# Altium PCB WL-MAIN_V2.PcbDoc (part 3 of 3)
Units mm, origin at the board's own origin, x right, y up, seen from the top; angles counter-clockwise.
Board outline 144 x 83.65 mm, 4 copper layers (Top Layer, Layer 1, Layer 2, Bottom Layer), stack 1.57 mm thick; 392 components, 321 nets, 1484 pads, 538 vias.
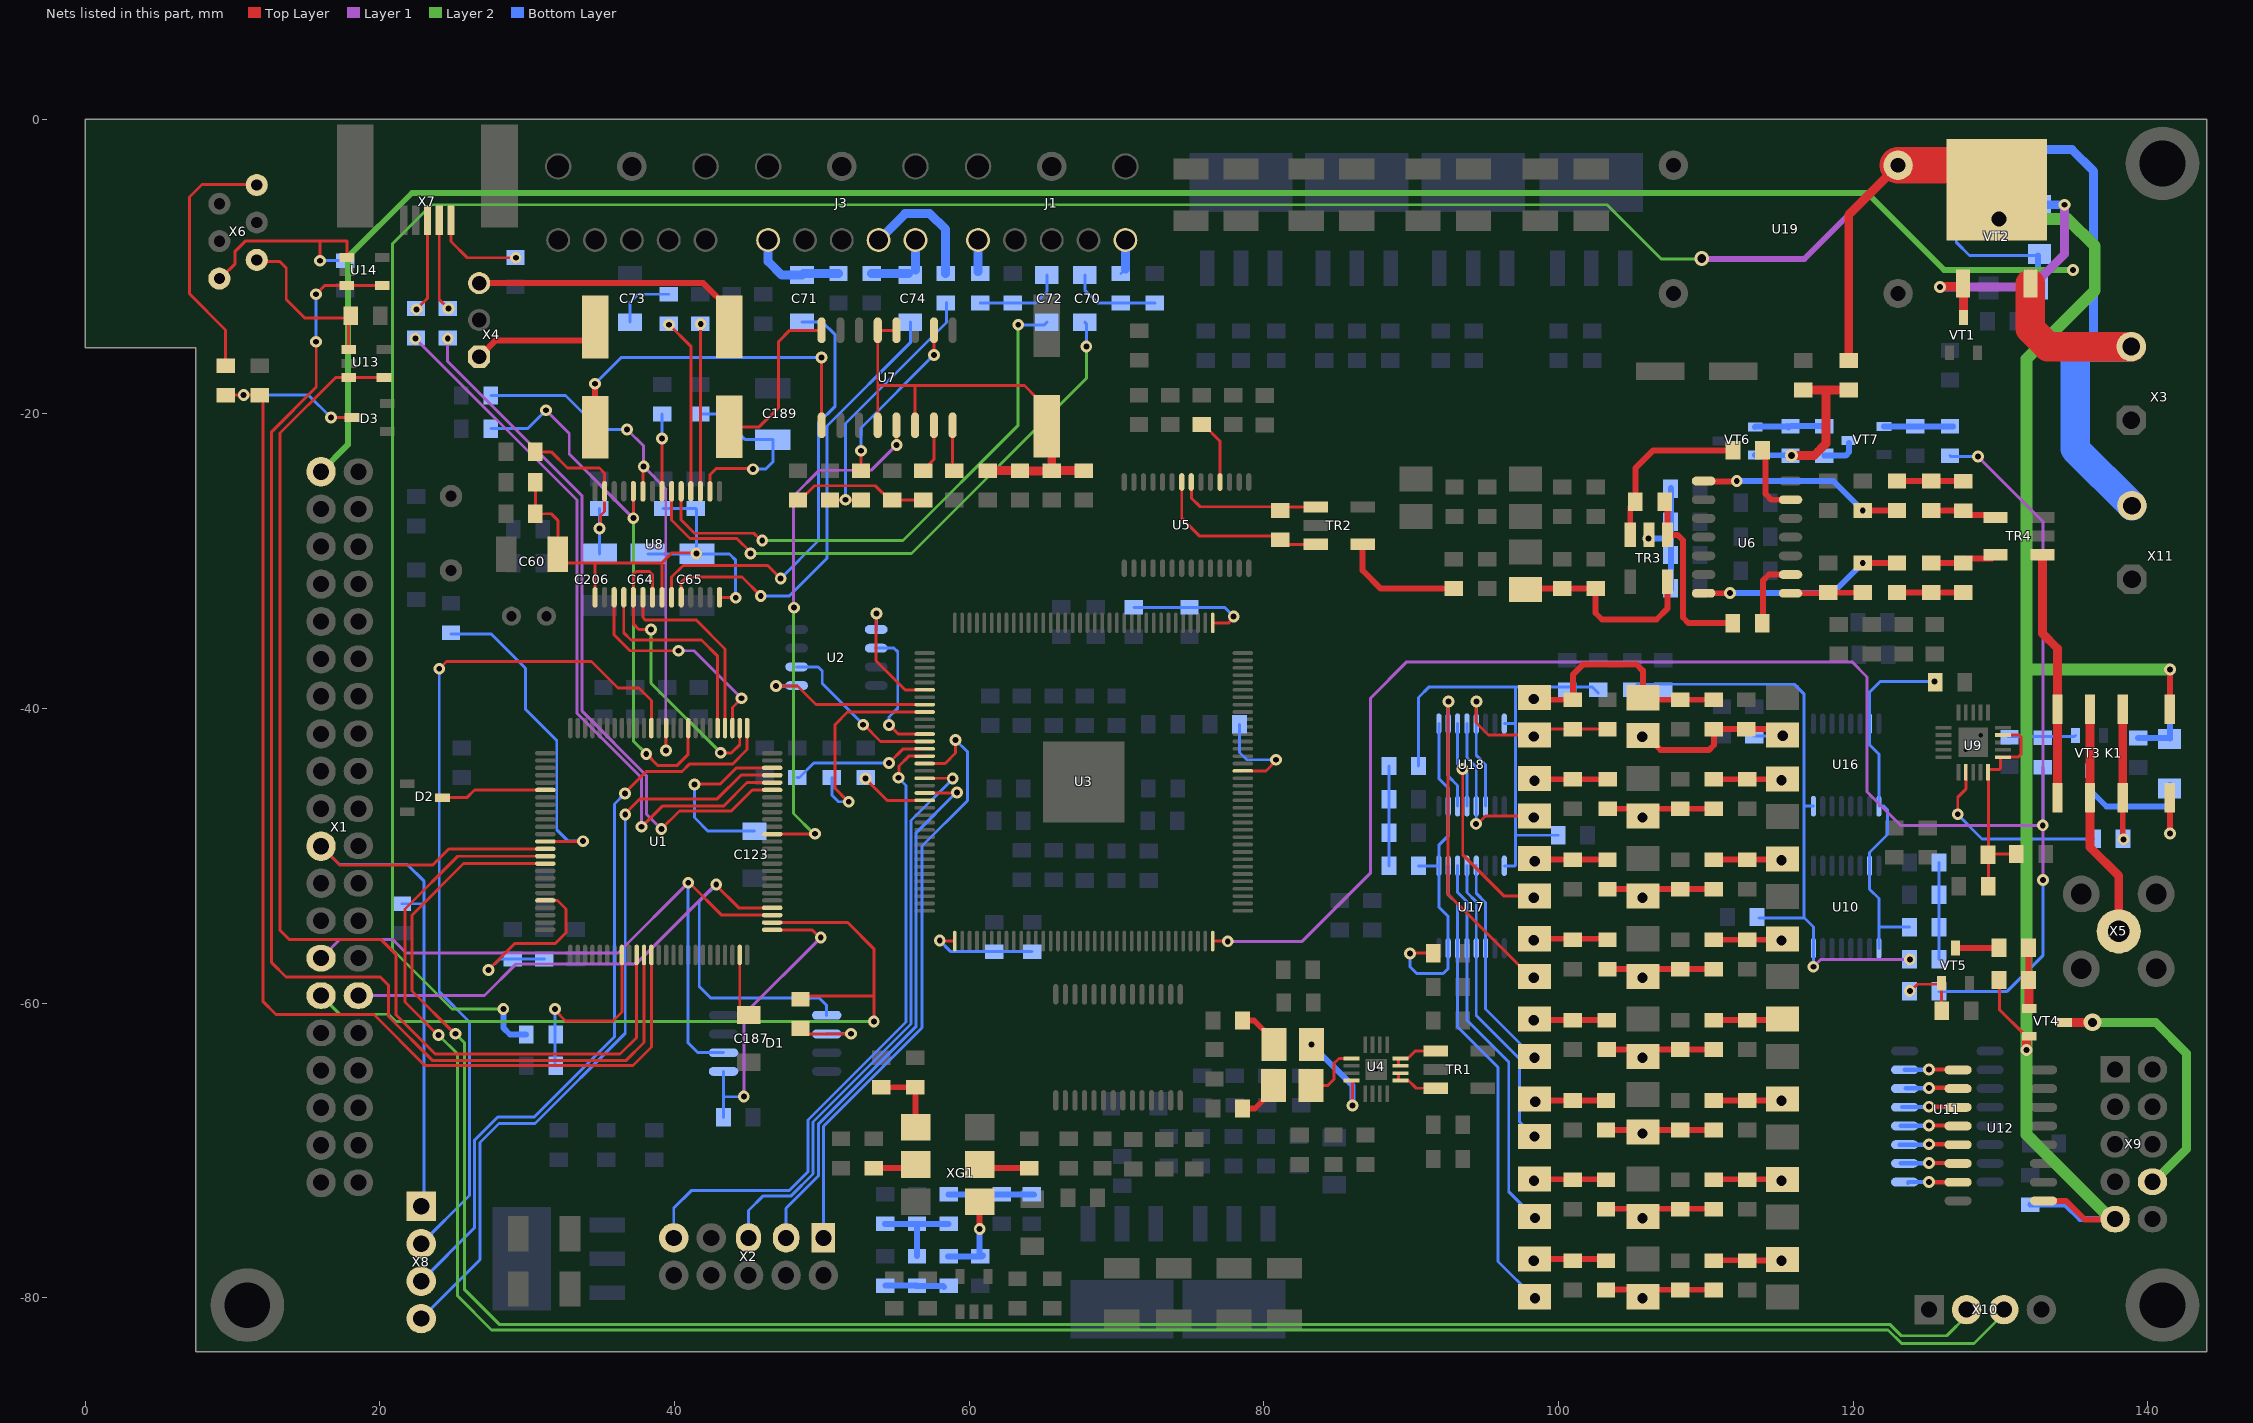
[diagram p5: the nets of this part, all layers, seen from the top]

## Via types
v1: diameter 0.8, hole 0.4, Top Layer to Bottom Layer, tented both sides, 270 vias
v2: diameter 0.7, hole 0.4, Top Layer to Bottom Layer, tented both sides, 169 vias
v3: diameter 0.8, hole 0.7, Top Layer to Bottom Layer, tented both sides, 24 vias
v4: diameter 1.3, hole 0.7, Top Layer to Bottom Layer, 23 vias
v5: diameter 1, hole 0.7, Top Layer to Bottom Layer, 17 vias
v6: diameter 0.5, hole 0.2, Top Layer to Bottom Layer, 16 vias
v7: diameter 1, hole 0.6, Top Layer to Bottom Layer, tented both sides, 6 vias
v8: diameter 1.2, hole 0.7, Top Layer to Bottom Layer, 6 vias
v9: diameter 1.2, hole 0.6, Top Layer to Bottom Layer, tented both sides, 2 vias
v10: diameter 3.4, hole 3.4, Top Layer to Bottom Layer, 2 vias
v11: diameter 5, hole 4, Top Layer to Bottom Layer, 1 vias
v12: diameter 0.9, hole 0.5, Top Layer to Bottom Layer, tented both sides, 1 vias
v13: diameter 2, hole 1, Top Layer to Bottom Layer, tented both sides, 1 vias

## Nets (pads, with @x,y where several pads share a name; then routed paths per layer and width w, separated by ;. In a path a pad name is that pad's centre, name@x,y a point inside that pad or via, vN(x,y) a via of type N, cw(c..) or ccw(c..) an arc to the next point about the centre after c; other vN are vias at no path point) (continued)
NetC43_2: C43.2 C44.2 L7.2 TR3.4 | length 14.3
  Top Layer w0.4: L7.2@98.248,-32.388 L7.2@97.768,-31.908 97.818,-31.858 C43.2@100.243,-31.858 C44.2@102.518,-31.858 102.518,-33.518 102.95,-33.95 106.65,-33.95 107.408,-33.192 TR3.4@107.408,-31.388
NetC45_1: C45.1 C46.1 R22.2 | length 4.5
  Top Layer w0.4: R22.2@122.975,-32.125 C46.1@125.3,-32.125 C45.1@127.475,-32.125
NetC45_2: C45.2 C46.2 TR4.4 | length 4.6
  Top Layer w0.4: C46.2@125.3,-30.125 C45.2@127.475,-30.125 127.775,-29.825 129.41,-29.825 TR4.4@129.67,-29.565
NetC47_1: C47.1 C48.1 R58.2 | length 4.5
  Top Layer w0.4: R58.2@122.975,-24.55 C47.1@125.3,-24.55 127.45,-24.55 C48.1@127.475,-24.575
NetC47_2: C47.2 C48.2 TR4.6 | length 4.6
  Top Layer w0.4: C47.2@125.3,-26.55 127.45,-26.55 C48.2@127.475,-26.575 127.75,-26.85 129.495,-26.85 TR4.6@129.67,-27.025
NetC49_2: C49.2 C50.2 R24.2 R25.1 TR3.2 | length 8.4
  Bottom Layer w0.2: 107.642,-28.458 107.65,-28.45
  Bottom Layer w0.4: v1(106.118,-28.458) 107.642,-28.458 ; C49.2@107.65,-31.908 107.65,-29.617 107.65,-28.45 107.65,-27.325 R25.1@107.65,-25.033
NetC51_1: C51.1 C53.1 R28.2 | length 9.3
  Top Layer w0.2: R28.2@48.375,-25.85 48.525,-25.85 49.5,-24.875 53.625,-24.875 54.6,-25.85 C51.1@54.762,-25.85 C53.1@56.869,-25.85
NetC52_2: C52.2 C54.1 R27.2 | length 18.2
  Top Layer w0.2: C52.2@50.55,-25.85 C54.1@52.656,-25.85
  Bottom Layer w0.2: v1@51.6,-25.7 51.6,-20.65 58.45,-13.8 R27.2@58.45,-12.45
  other v1: 51.6,-25.825
NetC53_2: C53.2 U7.7 | length 3
  Top Layer w0.2: C53.2@57.125,-23.575 57.6,-23.1 U7.7@57.6,-20.775
NetC54_2: C54.2 U7.10 | length 11.5
  Top Layer w0.2: C54.2@52.656,-23.85 v1@52.656,-22.731 ; v1@57.6,-16.175 v1(57.6,-16) U7.10@57.6,-14.325
  Bottom Layer w0.2: v1(52.65,-22.5) 52.65,-20.95 v1(57.6,-16)
NetC55_1: C55.1 U7.8 | length 2.5
  Top Layer w0.2: U7.8@58.87,-20.775 58.87,-23.295 58.875,-23.3
NetC56_1: C56.1 C57.1 C58.1 C59.1 FB4.1 U7.4 U7.6 U7.12 U7.13 | length 31.3
  Top Layer w0.2: U7.4@53.79,-20.775 53.79,-18.075 ; U7.12@55.06,-14.325 U7.13@53.79,-14.325 53.79,-18.075 ; U7.6@56.33,-20.775 56.33,-18.075 ; C56.1@64.575,-18.9 63.75,-18.075 56.33,-18.075 ; 53.79,-18.075 56.33,-18.075
  Top Layer w0.6: C57.1@61.25,-23.85 C58.1@63.45,-23.85 63.475,-23.875 65.6,-23.875 C59.1@65.6,-23.85 C59.1@65.6,-23.75 ; C56.1@65.25,-20.825 65.6,-21.175 C59.1@65.6,-23.75 ; FB4.1@67.775,-23.85 65.7,-23.85 C59.1@65.6,-23.75
NetC60_1: C60.1 C61.1 C64.1 C65.1 C66.1 C205.1 FB5.1 U8.1 U8.8 U8.14 | length 35.1
  Top Layer w0.2: FB5.1@30.55,-24.65 C61.1@30.55,-26.775 31.625,-26.775 32.075,-27.225 C60.1@32.075,-29.525 ; C60.1@32.35,-30.125 39.125,-30.125 ; U8.1@34.6,-32.45 34.6,-30.2 ; U8.8@39.15,-32.45 39.15,-30.15 39.125,-30.125 ; v1(41.475,-29.475) 41.475,-29.425 39.825,-29.425 39.125,-30.125 ; U8.14@43.05,-32.45 v1@43.975,-32.45
  Bottom Layer w0.2: C64.1@38.2,-29.5 C65.1@41.525,-29.5 ; C66.1@39.225,-26.425 C205.1@41.45,-26.425 41.475,-26.45 C65.1@41.475,-29.45 ; v1(41.475,-29.475) C65.1@41.475,-29.45 ; v1(44.15,-32.475) 44.15,-29.925 43.725,-29.5 C65.1@41.525,-29.5 ; C65.1@41.475,-29.45 C65.1@41.525,-29.5
NetC62_1: C62.1 U7.1 | length 23.6
  Top Layer w0.2: U7.1@49.98,-20.775 v1@49.98,-16.175
  Top Layer w0.4: C62.1@34.6,-20.9 v1(34.6,-17.95)
  Bottom Layer w0.2: v1(34.6,-17.95) 36.375,-16.175 v1@49.925,-16.175
  other v1: 49.975,-16.175
NetC62_2: C62.2 X4.1 | length 9.2
  Top Layer w0.2: C62.2@34.6,-15.025 C62.2@34.6,-14.1
  Top Layer w0.4: X4.1@26.737,-16.122 27.834,-15.025 C62.2@34.6,-15.025
NetC63_1: C63.1 U7.16 | length 11.6
  Top Layer w0.2: C63.1@43.725,-20.875 45.75,-20.875 47.05,-19.575 47.05,-15.1 47.825,-14.325 U7.16@49.98,-14.325
NetC63_2: C63.2 X4.3 | length 18.9
  Top Layer w0.4: X4.3@26.737,-11.122 41.947,-11.122 43.725,-12.9 C63.2@43.725,-14.075
NetC67_2: C67.2 R44.2 R45.2 R46.2 | length 6.6
  Bottom Layer w0.2: R46.2@125.825,-57.025 R44.2@125.825,-54.833 C67.2@125.825,-52.642 R45.2@125.825,-50.45
NetC68_2: C68.2 R23.1 R63.2 R64.2 | length 6.6
  Bottom Layer w0.4: C68.2@54.275,-74.975 C68.2@54.305,-74.975 R63.2@56.453,-74.975 R23.1@58.602,-74.975 ; R63.2@56.325,-74.975 56.453,-75.103 R64.2@56.453,-77.173
NetC69_1: C69.1 C206.1 FB6.1 U8.27 | length 12.3
  Top Layer w0.2: FB6.1@30.55,-22.575 31.625,-22.575 32.725,-23.675 34.9,-23.675 35.25,-24.025 U8.27@35.25,-25.25 35.25,-26.625 34.975,-26.9 v1@34.975,-27.85
  Bottom Layer w0.2: C206.1@34.9,-29.5 C69.1@34.9,-26.425
  other v1: 34.9,-27.775
NetC70_1: C70.1 U8.20 | length 39.8
  Top Layer w0.2: U8.20@39.8,-25.25 39.8,-27.2 41.05,-28.45 44.225,-28.45 v1@45.15,-29.375
  Layer 2 w0.2: v1(45.15,-29.475) 56.075,-29.475 67.95,-17.6 v1(67.95,-15.425)
  Bottom Layer w0.2: C70.1@67.85,-13.775 67.95,-13.875 v1(67.95,-15.425)
NetC70_2: C70.2 R33.2 R37.1 | length 6.1
  Bottom Layer w0.2: C70.2@67.85,-10.575 67.85,-11.6 68.725,-12.475 R37.1@70.3,-12.475 R33.2@72.6,-12.475
NetC71_1: C71.1 U8.9 | length 30.2
  Top Layer w0.2: U8.9@39.8,-32.45 39.8,-31.075 40.6,-30.275 46.3,-30.275 v1(47.2,-31.175)
  Bottom Layer w0.2: v1(47.2,-31.175) 49.775,-28.6 49.775,-20.6 50.9,-19.475 50.9,-14.625 50.05,-13.775 C71.1@48.65,-13.775
NetC71_2: C71.2 J3.5 R62.2 | length 6.6
  Bottom Layer w0.6: J3.5@46.35,-8.2 46.35,-9.65 47.275,-10.575 C71.2@48.65,-10.575 48.75,-10.475 R62.2@51.125,-10.475
NetC72_1: C72.1 U8.19 | length 37.5
  Top Layer w0.2: U8.19@40.45,-25.25 40.45,-27.2 41.35,-28.1 45.375,-28.1 45.725,-28.45 v1@45.725,-28.75
  Layer 2 w0.2: v1(45.95,-28.6) 55.5,-28.6 63.325,-20.775 v1(63.325,-13.95)
  Bottom Layer w0.2: v1(63.325,-13.95) 65.1,-13.95 C72.1@65.275,-13.775
NetC72_2: C72.2 R32.2 R38.1 | length 6
  Bottom Layer w0.2: R38.1@60.75,-12.475 R32.2@62.95,-12.475 64.5,-12.475 65.275,-11.7 C72.2@65.275,-10.575
NetC73_1: C73.1 R30.2 | length 4.2
  Bottom Layer w0.2: C73.1@36.975,-13.775 36.975,-12.425 37.525,-11.875 R30.2@39.6,-11.875
NetC74_1: C74.1 U8.10 | length 31
  Top Layer w0.2: U8.10@40.45,-32.45 40.45,-31.425 40.8,-31.075 44.575,-31.075 v1(45.85,-32.35)
  Bottom Layer w0.2: v1(45.85,-32.35) 47.8,-32.35 50.35,-29.8 50.35,-20.825 56,-15.175 C74.1@56,-13.775
NetC74_2: C74.2 J3.2 R36.2 | length 5.2
  Bottom Layer w0.2: C74.2@55.9,-10.475 C74.2@56,-10.575 C74.2@56.35,-10.225
  Bottom Layer w0.6: R36.2@53.375,-10.475 C74.2@55.9,-10.475 ; C74.2@56.35,-10.225 J3.2@56.35,-8.2
NetC76_1: C76.1 K1.2 K1.7 | length 8.8
  Top Layer w0.4: v1@138.3,-48.85 K1.7@138.3,-46.05
  Top Layer w0.6: K1.7@138.3,-46.05 K1.2@138.3,-40.05
  other v1: 138.35,-48.875
NetC76_2: C76.2 U9.2 | length 13.5
  Top Layer w0.2: v1(127.1,-47.175) 127.1,-46.025 127.65,-45.475 U9.2@127.65,-44.15
  Bottom Layer w0.2: v1@126.862,-46.962 128.75,-48.85 C76.2@136.325,-48.85
NetC77_2: C77.2 C78.2 FB7.1 U9.5 U9.6 U9.9 | length 15.6
  Top Layer w0.2: FB7.1@129.175,-52.075 C78.2@129.175,-49.925 ; U9.9@130,-41.8 131.275,-41.8 131.4,-41.925 131.4,-43.1 131.2,-43.3 130,-43.3 130,-44.05 129.9,-44.15 129.15,-44.15 129.175,-44.175 C78.2@129.175,-49.925 ; C77.2@131.075,-49.875 129.225,-49.875 C78.2@129.175,-49.925
NetC120_1: C120.1 TR2.6 | length 8.5
  Top Layer w0.4: TR2.6@86.705,-28.85 86.705,-30.63 87.933,-31.858 C120.1@92.893,-31.858
NetC123_1: C123.1 U1.73 | length 12.3
  Top Layer w0.2: v1@41.45,-45.125 43.1,-45.125 44.2,-44.025 U1.73@46.625,-44.025
  Bottom Layer w0.2: v1(41.35,-45.15) 41.35,-47.4 42.275,-48.325 C123.1@45.425,-48.325
NetC133_1: C133.1 R64.1 R65.2 | length 4.1
  Bottom Layer w0.4: C133.1@54.305,-79.173 56.448,-79.173 R64.1@56.45,-79.175 ; R64.1@56.388,-79.201 58.226,-79.201 R65.2@58.3,-79.275
NetC135_1: C135.1 FB12.1 U1.21 | length 13.5
  Top Layer w0.2: v1@27.5,-57.6 29.15,-55.95 31.9,-55.95 32.625,-55.225 32.625,-53.6 32.05,-53.025 U1.21@31.225,-53.025
  Bottom Layer w0.2: v1(27.375,-57.75) 28.125,-57 C135.1@29.025,-57 FB12.1@31.162,-57
NetC136_1: C136.1 C183.1 FB9.1 R46.1 U10.16 U16.16 | length 41.4
  Layer 1 w0.2: v1(117.3,-57.525) 117.8,-57.025 v1(123.85,-57.025)
  Bottom Layer w0.2: FB9.1@105,-38.725 105.375,-38.35 116,-38.35 116.675,-39.025 116.675,-46.65 ; C136.1@113.6,-54.225 116.625,-54.225 116.662,-54.187 117.303,-54.828 U10.16@117.303,-56.275 v1@117.303,-57.597 ; 116.675,-54.175 116.675,-46.65 ; U16.16@117.303,-46.625 116.7,-46.625 116.675,-46.65
NetC137_1: C137.1 C138.1 FB10.1 R47.1 U17.16 U18.16 | length 33.8
  Bottom Layer w0.2: R47.1@90.5,-43.9 90.5,-39.25 91.225,-38.525 102.275,-38.525 FB10.1@102.7,-38.95 ; U17.16@96.322,-50.675 97.05,-50.675 97.075,-50.65 97.075,-48.625 ; U18.16@96.322,-41.025 97.075,-41.025 ; 97.075,-38.575 97.075,-41.025 ; C138.1@99.975,-48.6 97.1,-48.6 97.075,-48.625 ; 97.075,-48.625 97.075,-41.025
NetC139_2: C139.2 R47.2 R48.2 R49.2 | length 6.8
  Bottom Layer w0.2: R49.2@88.5,-50.675 R48.2@88.5,-48.417 C139.2@88.5,-46.158 R47.2@88.5,-43.9
NetC144_1: C144.1 C184.2 L8.2 | length 4.6
  Top Layer w0.4: C144.1@110.55,-71.95 112.725,-71.95 L8.2@115.188,-71.95
  other v4: 115.143,-72.055
NetC144_2: C144.2 C148.2 C152.1 L12.2 | length 7.8
  Top Layer w0.4: C152.1@103.225,-73.95 105.212,-73.95 L12.2@105.75,-74.488 106.288,-73.95 108.275,-73.95 C144.2@110.55,-73.95
  other v4: 105.7,-74.588
NetC145_1: C145.1 C193.2 L9.2 | length 4.7
  Top Layer w0.4: C145.1@110.55,-61.15 C193.2@112.8,-61.15 115.123,-61.15 L9.2@115.193,-61.08
NetC145_2: C145.2 C149.2 C153.1 L13.2 | length 7.3
  Top Layer w0.4: C153.1@103.275,-63.15 C149.2@108.275,-63.15 C145.2@110.55,-63.15
  other v4: 105.7,-63.713
NetC146_1: C146.1 C194.2 L10.2 | length 4.6
  Top Layer w0.4: C146.1@110.55,-77.45 112.7,-77.45 112.725,-77.475 L10.2@115.11,-77.475
  other v4: 115.143,-77.492
NetC146_2: C146.2 C150.2 C154.1 L14.2 | length 7.7
  Top Layer w0.4: C154.1@103.225,-79.425 105.25,-79.425 L14.2@105.75,-79.925 106.225,-79.45 C146.2@110.55,-79.45
  other v4: 105.7,-80.025
NetC147_1: C147.1 C195.2 L11.2 | length 4.7
  Top Layer w0.4: C147.1@110.55,-66.6 112.725,-66.6 115.043,-66.6 L11.2@115.193,-66.45
  other v4: 115.143,-66.617
NetC147_2: C147.2 C151.2 C155.1 L15.2 | length 7.4
  Top Layer w0.4: C155.1@103.225,-68.6 105.6,-68.6 L15.2@105.75,-68.75 105.9,-68.6 C151.2@108.275,-68.6 C147.2@110.55,-68.6
  other v4: 105.7,-68.85
NetC152_2: C152.2 C156.2 L16.1 | length 4.9
  Top Layer w0.4: L16.1@98.375,-71.937 98.387,-71.95 100.975,-71.95 C152.2@103.225,-71.95
  other v4: 98.337,-72.05
NetC153_2: C153.2 C157.2 L17.1 | length 4.9
  Top Layer w0.4: L17.1@98.375,-61.062 98.462,-61.15 C157.2@100.975,-61.15 C153.2@103.275,-61.15
  other v4: 98.325,-61.162
NetC154_2: C154.2 C158.2 L18.1 | length 4.9
  Top Layer w0.4: L18.1@98.375,-77.375 103.175,-77.375 C154.2@103.225,-77.425
  other v4: 98.325,-77.475
NetC155_2: C155.2 C159.2 L19.1 | length 4.9
  Top Layer w0.4: L19.1@98.375,-66.5 98.475,-66.6 C159.2@100.975,-66.6 C155.2@103.225,-66.6
  other v4: 98.425,-66.7
NetC160_2: C160.2 C171.2 L20.1 | length 5
  Top Layer w0.4: L20.1@98.375,-44.75 98.425,-44.8 C160.2@100.975,-44.8 C171.2@103.35,-44.8
  other v5: 98.375,-44.9
NetC161_2: C161.2 C164.1 L21.2 | length 4.7
  Top Layer w0.4: C164.1@110.55,-50.258 C161.2@112.8,-50.258 115.139,-50.258 L21.2@115.193,-50.205
  other v5: 115.143,-50.305
NetC162_2: C162.2 C165.1 L22.2 | length 4.7
  Top Layer w0.4: C165.1@110.55,-44.8 C162.2@112.8,-44.8 115.16,-44.8 L22.2@115.193,-44.767
  other v5: 115.143,-44.867
NetC164_2: C164.2 C167.2 C170.1 L30.2 | length 7.2
  Top Layer w0.4: C170.1@103.325,-52.258 C167.2@108.275,-52.258 C164.2@110.55,-52.258
  other v5: 105.7,-52.838
NetC165_2: C165.2 C168.2 C171.1 L25.2 | length 7.2
  Top Layer w0.4: C171.1@103.35,-46.8 C168.2@108.275,-46.8 C165.2@110.55,-46.8
  other v5: 105.7,-47.4
NetC166_2: C166.2 C178.2 C179.1 L24.1 L29.2 | length 13.2
  Top Layer w0.4: L24.1@105.725,-41.817 105.942,-41.817 106.925,-42.8 110.225,-42.8 110.55,-42.475 C179.1@110.55,-41.4 C178.2@112.75,-41.4 114.8,-41.4 L29.2@115.2,-41.8
  Bottom Layer w0.2: C166.2@113.275,-41.875 115.2,-41.875 v5(115.225,-41.85)
  other v5: 105.675,-41.917
NetC169_2: C169.2 C172.1 C177.2 L26.2 | length 7.2
  Top Layer w0.4: C172.1@103.325,-57.692 C169.2@108.275,-57.692 C177.2@110.55,-57.692
  other v8: 105.7,-58.275
NetC170_2: C170.2 C173.2 L27.1 | length 5
  Top Layer w0.4: L27.1@98.375,-50.187 98.446,-50.258 C173.2@100.975,-50.258 C170.2@103.325,-50.258
  other v5: 98.396,-50.358
NetC172_2: C172.2 C174.2 L28.1 | length 5
  Top Layer w0.4: L28.1@98.375,-55.625 103.258,-55.625 C172.2@103.325,-55.692
  other v8: 98.325,-55.725
NetC176_2: C176.2 C177.1 L23.2 | length 4.7
  Top Layer w0.4: C177.1@110.55,-55.692 C176.2@112.8,-55.692 115.143,-55.692 L23.2@115.193,-55.642
  other v8: 115.143,-55.742
NetC179_2: C179.2 C180.2 C181.1 L24.2 L31.1 | length 16.3
  Top Layer w0.4: L31.1@98.375,-39.25 98.525,-39.4 C181.1@100.975,-39.4 100.975,-37.7 101.675,-37 105.3,-37 105.725,-37.425 L24.2@105.725,-39.267 105.858,-39.4 C180.2@108.275,-39.4 C179.2@110.55,-39.4
  other v5: 98.325,-39.35
NetC187_1: C187.1 U1.49 | length 3.8
  Top Layer w0.2: C187.1@44.425,-60.575 U1.49@44.425,-56.725
NetC189_1: C189.1 C190.1 U8.16 | length 12.9
  Top Layer w0.2: U8.16@42.4,-25.25 42.4,-24.125 42.825,-23.7 v1@45.275,-23.7
  Bottom Layer w0.2: C190.1@41.742,-20 43.05,-20 44.8,-21.75 C189.1@46.675,-21.75 46.675,-23.25 46.175,-23.75 v1(45.325,-23.75)
NetC191_2: C191.2 R49.1 U17.7 U17.9 U18.7 U18.9 | length 24
  Top Layer w0.2: v1@90.025,-56.6 C191.2@91.5,-56.6
  Bottom Layer w0.2: v1(89.925,-56.625) 89.925,-57.525 90.375,-57.975 92.175,-57.975 92.512,-57.637 U17.7@92.512,-56.275 ; R49.1@90.5,-50.675 U17.9@91.877,-50.675 ; U18.9@91.877,-41.025 91.877,-44.752 92.512,-45.387 U18.7@92.512,-46.625 92.512,-48.638 91.877,-49.273 U17.9@91.877,-50.675 ; U17.7@92.512,-56.25 92.512,-54.108 91.877,-53.473 U17.9@91.877,-50.675
NetC192_2: C192.2 R44.1 U10.7 U10.9 U16.7 U16.9 | length 25.7
  Bottom Layer w0.2: U10.9@121.748,-56.275 121.748,-54.85 ; R44.1@123.825,-54.833 121.764,-54.833 121.748,-54.85 ; v1(125.525,-38.175) 121.825,-38.175 121.113,-38.887 U16.7@121.113,-41.025 121.113,-42.463 121.748,-43.098 U16.9@121.748,-46.625 122.1,-46.625 122.325,-46.85 122.325,-48.55 121.113,-49.762 U10.7@121.113,-50.675 121.113,-52.263 121.748,-52.898 121.748,-54.85
NetC201_1: C201.1 X7.1 | length 6.3
  Top Layer w0.2: X7.1@24.825,-6.85 24.825,-8.3 25.925,-9.4 v1(29.225,-9.4)
NetC203_2: C203.2 FB13.1 U3.37 | length 7.6
  Top Layer w0.2: v1@57.968,-55.782 U3.37@59.025,-55.782
  Bottom Layer w0.2: v1(58,-55.75) 58.75,-56.5 C203.2@61.7,-56.5 FB13.1@64.275,-56.5
NetC204_2: C204.2 FB14.1 U3.109 | length 8.6
  Top Layer w0.2: U3.109@76.525,-34.182 77.618,-34.182 v1@77.975,-33.825
  Bottom Layer w0.2: FB14.1@71.175,-33.125 C204.2@74.95,-33.125 77.325,-33.125 v1(77.95,-33.75)
NetC207_1: C207.1 R65.1 XG1.1 | length 6
  Top Layer w0.4: v1@60.7,-75.3 60.7,-73.5 XG1.1@60.71,-73.49
  Bottom Layer w0.4: R65.1@58.569,-77.201 60.75,-77.201 60.849,-77.201 C207.1@60.925,-77.125 ; v1(60.709,-75.336) 60.709,-77.009 C207.1@60.8,-77.1
NetC208_1: C208.1 R66.2 XG1.4 | length 4.8
  Top Layer w0.4: R66.2@54.037,-65.706 C208.1@56.342,-65.706 ; XG1.4@56.35,-68.175 56.35,-65.714 C208.1@56.342,-65.706 ; C208.1@56.4,-65.675 56.369,-65.706 C208.1@56.342,-65.706
NetD1_6: D1.6 R2.1 | length 5.3
  Top Layer w0.2: R2.1@48.55,-61.5 49.15,-62.1 v1@51.95,-62.1
  Bottom Layer w0.2: D1.6@50.325,-62.09 50.34,-62.075 v1(51.975,-62.075)
NetD2_3: D2.3 U1.6 | length 7.2
  Top Layer w0.2: D2.3@24.25,-46.05 25.9,-46.05 26.425,-45.525 U1.6@31.225,-45.525
NetFB15_2: FB15.2 FB16.2 R73.2 VT6.2 | length 11.7
  Top Layer w0.4: FB16.2@119.6,-18.375 FB16.2@119.775,-18.55
  Top Layer w0.6: v12(115.818,-22.819) 117.356,-22.819 118.15,-22.025 118.15,-18.475 ; FB15.2@116.625,-18.375 FB16.2@119.6,-18.375
  Bottom Layer w0.4: VT6.2@113.352,-22.78 113.377,-22.805 115.53,-22.805 R73.2@115.575,-22.85 ; R73.2@115.834,-22.766 R73.2@115.845,-22.778
NetJ1_2: J1.2 R37.2 | length 2.4
  Bottom Layer w0.2: R37.2@70.3,-10.475 R37.2@70.6,-10.175
  Bottom Layer w0.6: R37.2@70.6,-10.175 J1.2@70.6,-8.2
NetJ1_5: J1.5 R38.2 | length 2.3
  Bottom Layer w0.2: R38.2@60.6,-10.325 R38.2@60.75,-10.475
  Bottom Layer w0.6: R38.2@60.6,-10.325 J1.5@60.6,-8.2
NetK1_3: K1.3 K1.6 X5.1 | length 15.9
  Top Layer w0.6: K1.3@136.075,-40.05 K1.6@136.075,-46.05 136.075,-49.4 138.025,-51.35 X5.1@138.025,-55.125
NetK1_4: K1.4 K1.5 TR4.3 | length 16.9
  Top Layer w0.6: TR4.3@132.85,-29.565 132.85,-34.9 133.875,-35.925 K1.4@133.875,-40.05 K1.5@133.875,-46.05
NetK1_8: K1.8 VD3.1 VT3.3 | length 12.8
  Top Layer w0.4: v1(141.5,-48.475) K1.8@141.5,-46.05
  Bottom Layer w0.4: VT3.3@136.1,-44.275 136.049,-44.326 136.049,-45.499 137.2,-46.65 141.5,-46.65 ; v1@141.5,-48.375 141.5,-46.65 ; VD3.1@141.5,-45.175 141.5,-46.65
NetL1_1: L1.1 R11.1 | length 3.1
  Top Layer w0.4: R11.1@78.55,-61.175 79.325,-61.175 80.675,-62.525 L1.1@80.675,-62.8 L1.1@80.675,-62.975
NetL1_2: L1.2 U4.8 | length 7.1
  Top Layer w0.2: v1(86.025,-66.95) 86.025,-65.35 U4.8@86.125,-65.25
  Bottom Layer w0.4: v1(83.225,-62.8) 86.025,-65.6 v1(86.025,-66.95)
NetL2_1: L2.1 R12.1 | length 2.9
  Top Layer w0.4: R12.1@78.55,-67.15 79.4,-67.15 80.65,-65.9 L2.1@80.65,-65.6
NetL2_2: L2.2 U4.5 | length 4.3
  Top Layer w0.2: L2.2@83.2,-65.6 84.325,-65.6 84.75,-65.175 84.75,-64.1 85.1,-63.75 U4.5@86.125,-63.75
NetR5_2: R5.2 R6.1 R23.2 | length 5.8